# Altium PCB EDA-03517-V2-0_pcb.pcbdoc (part 1 of 5) (continued)
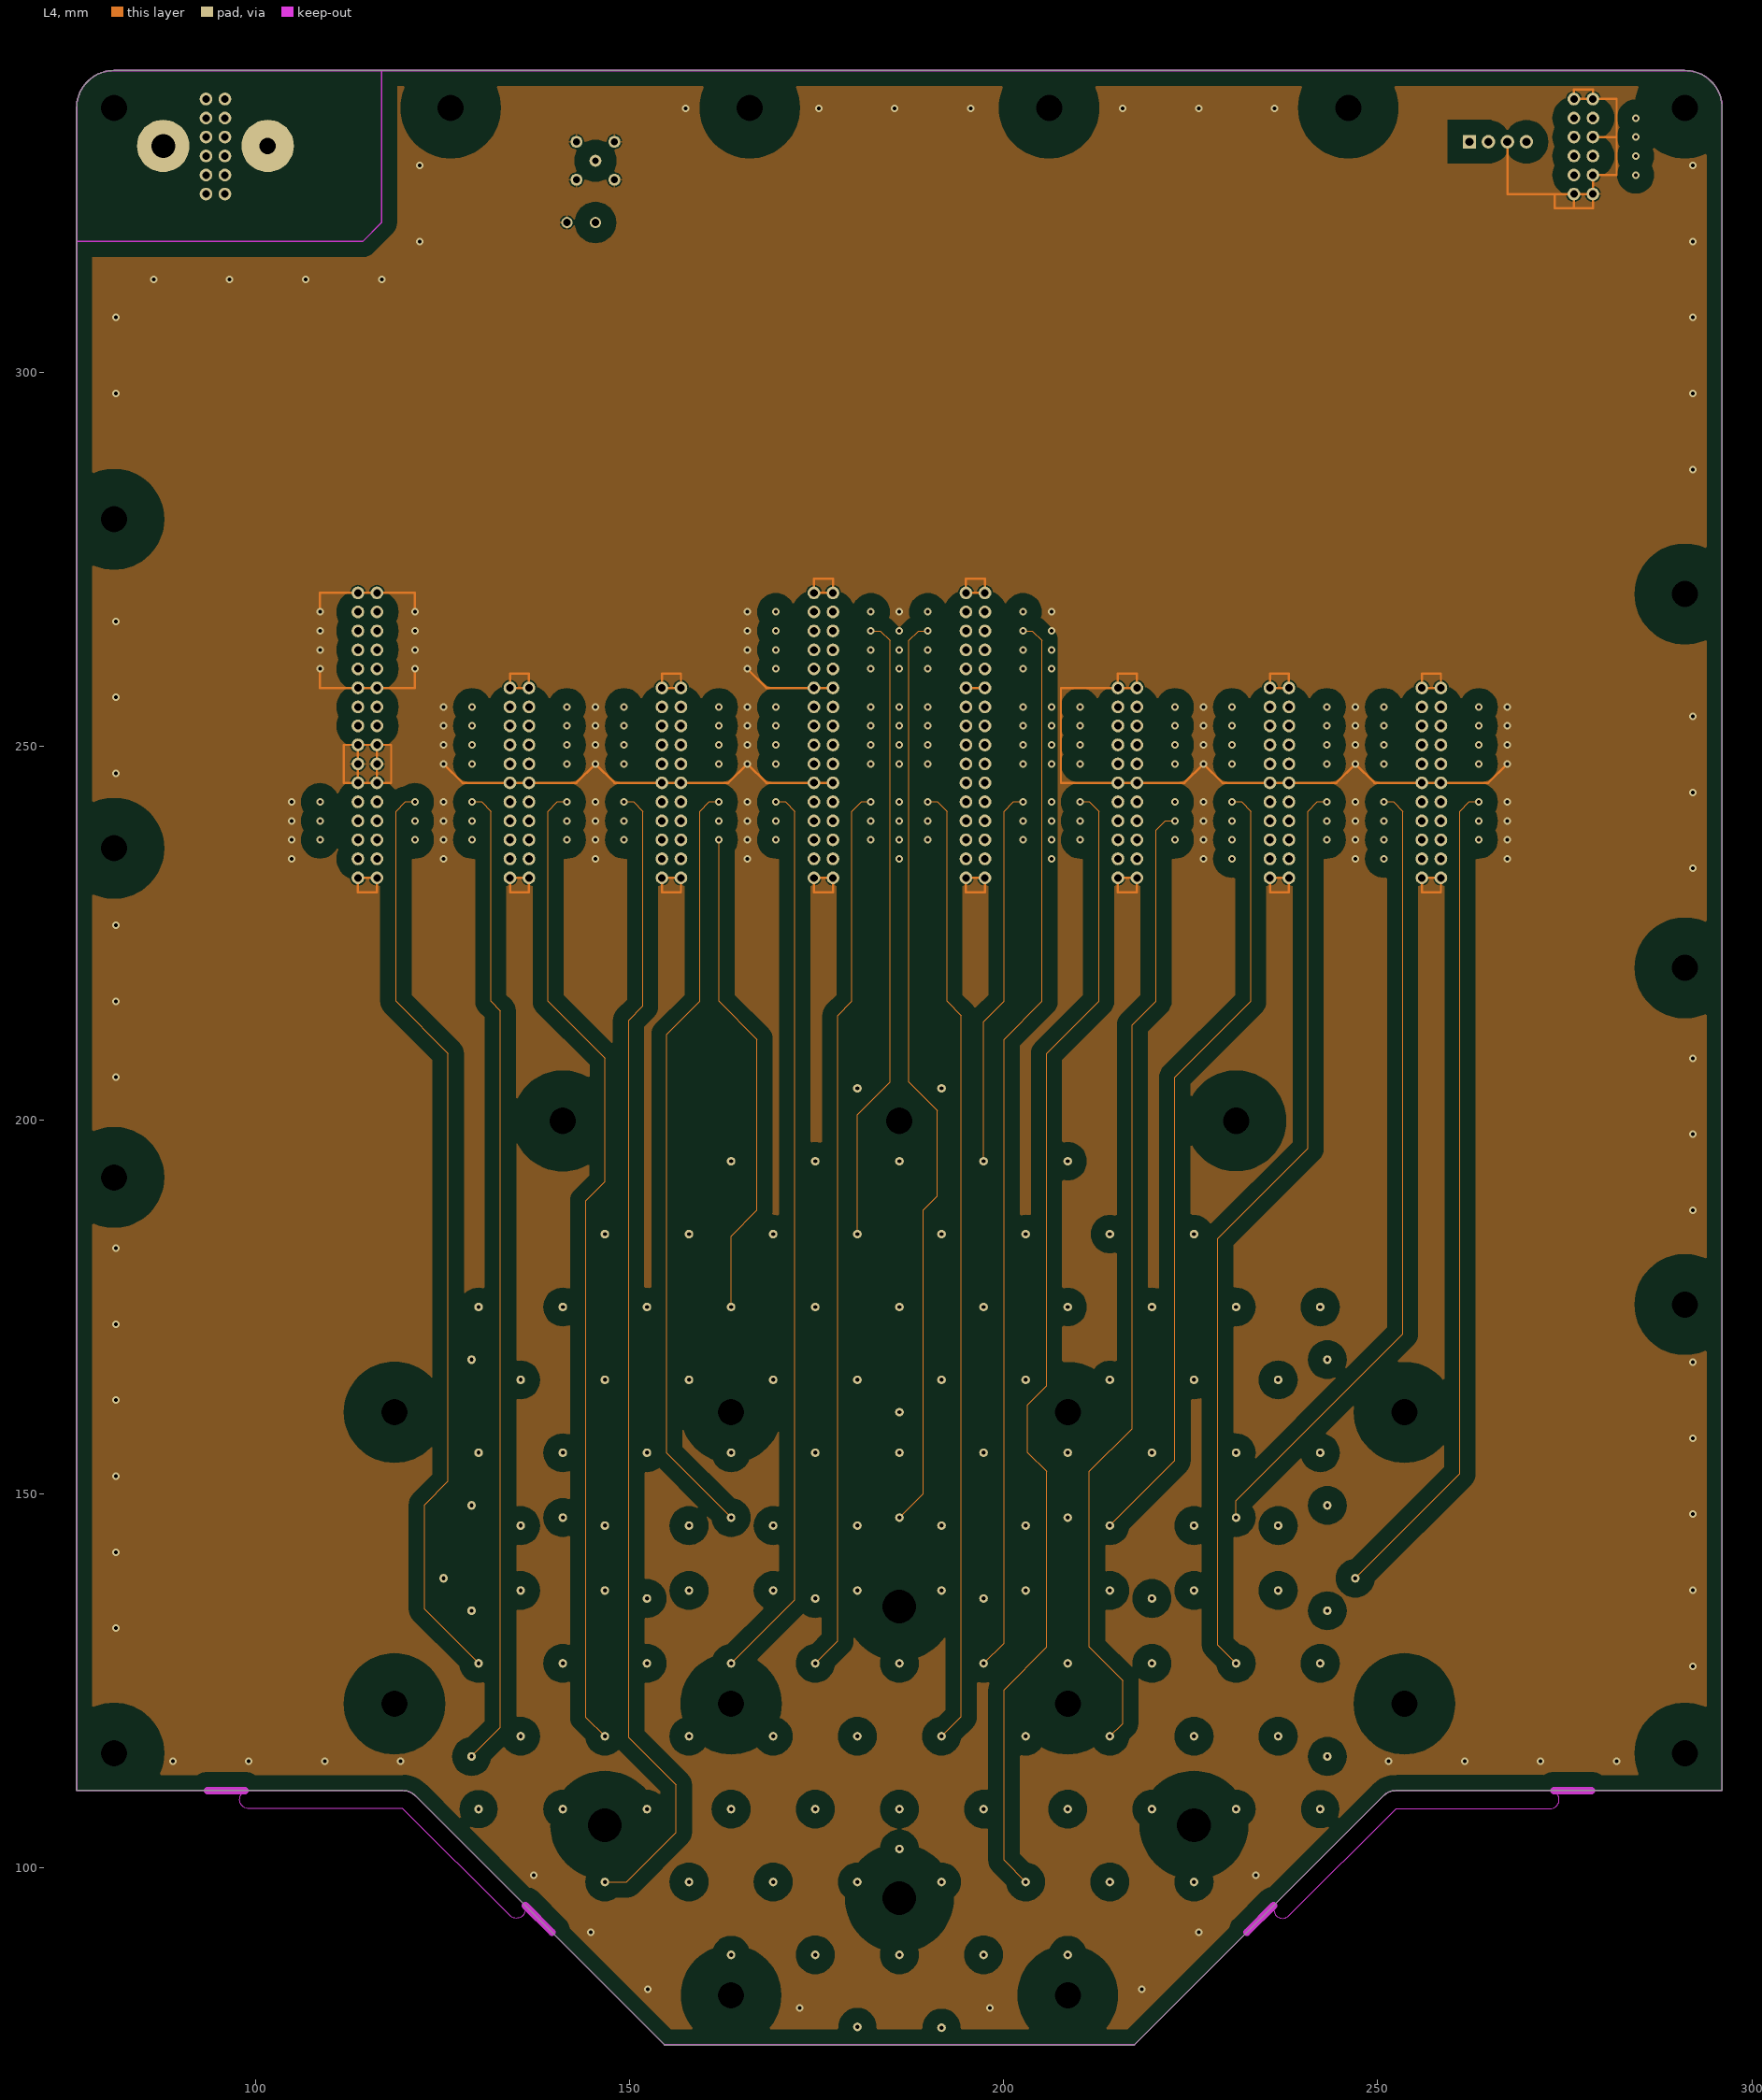
[diagram p4: L4]
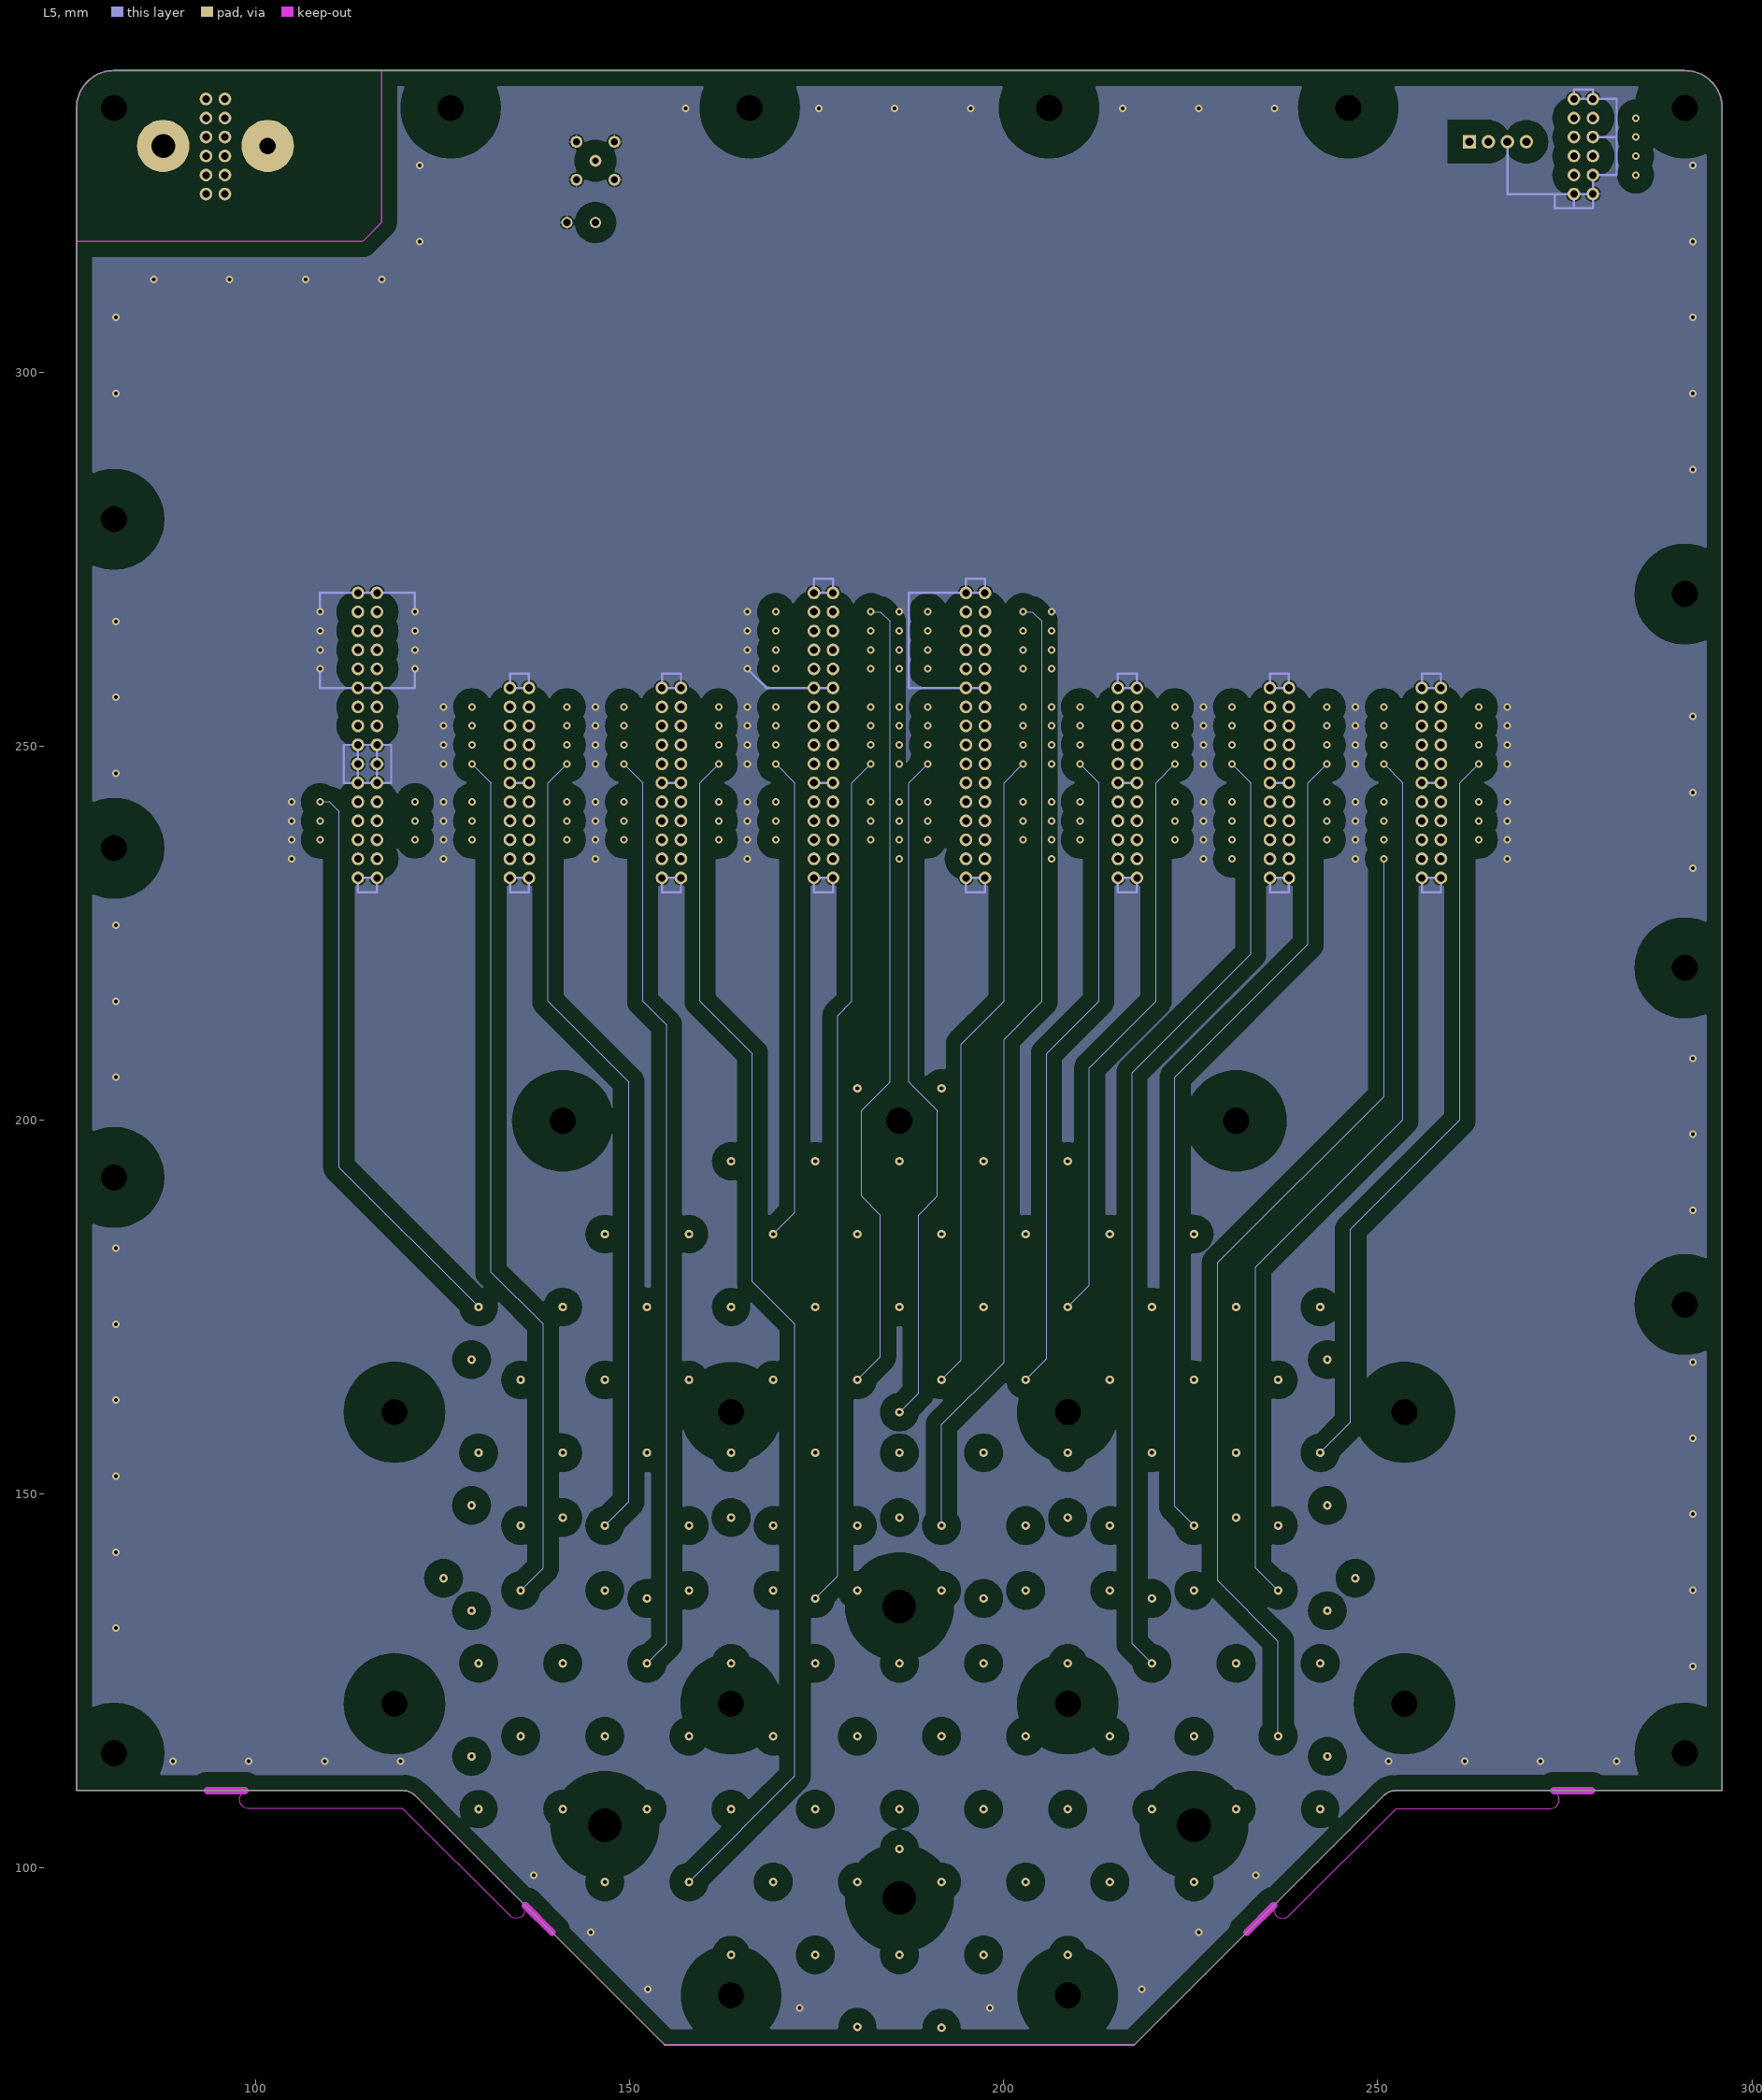
[diagram p5: L5]
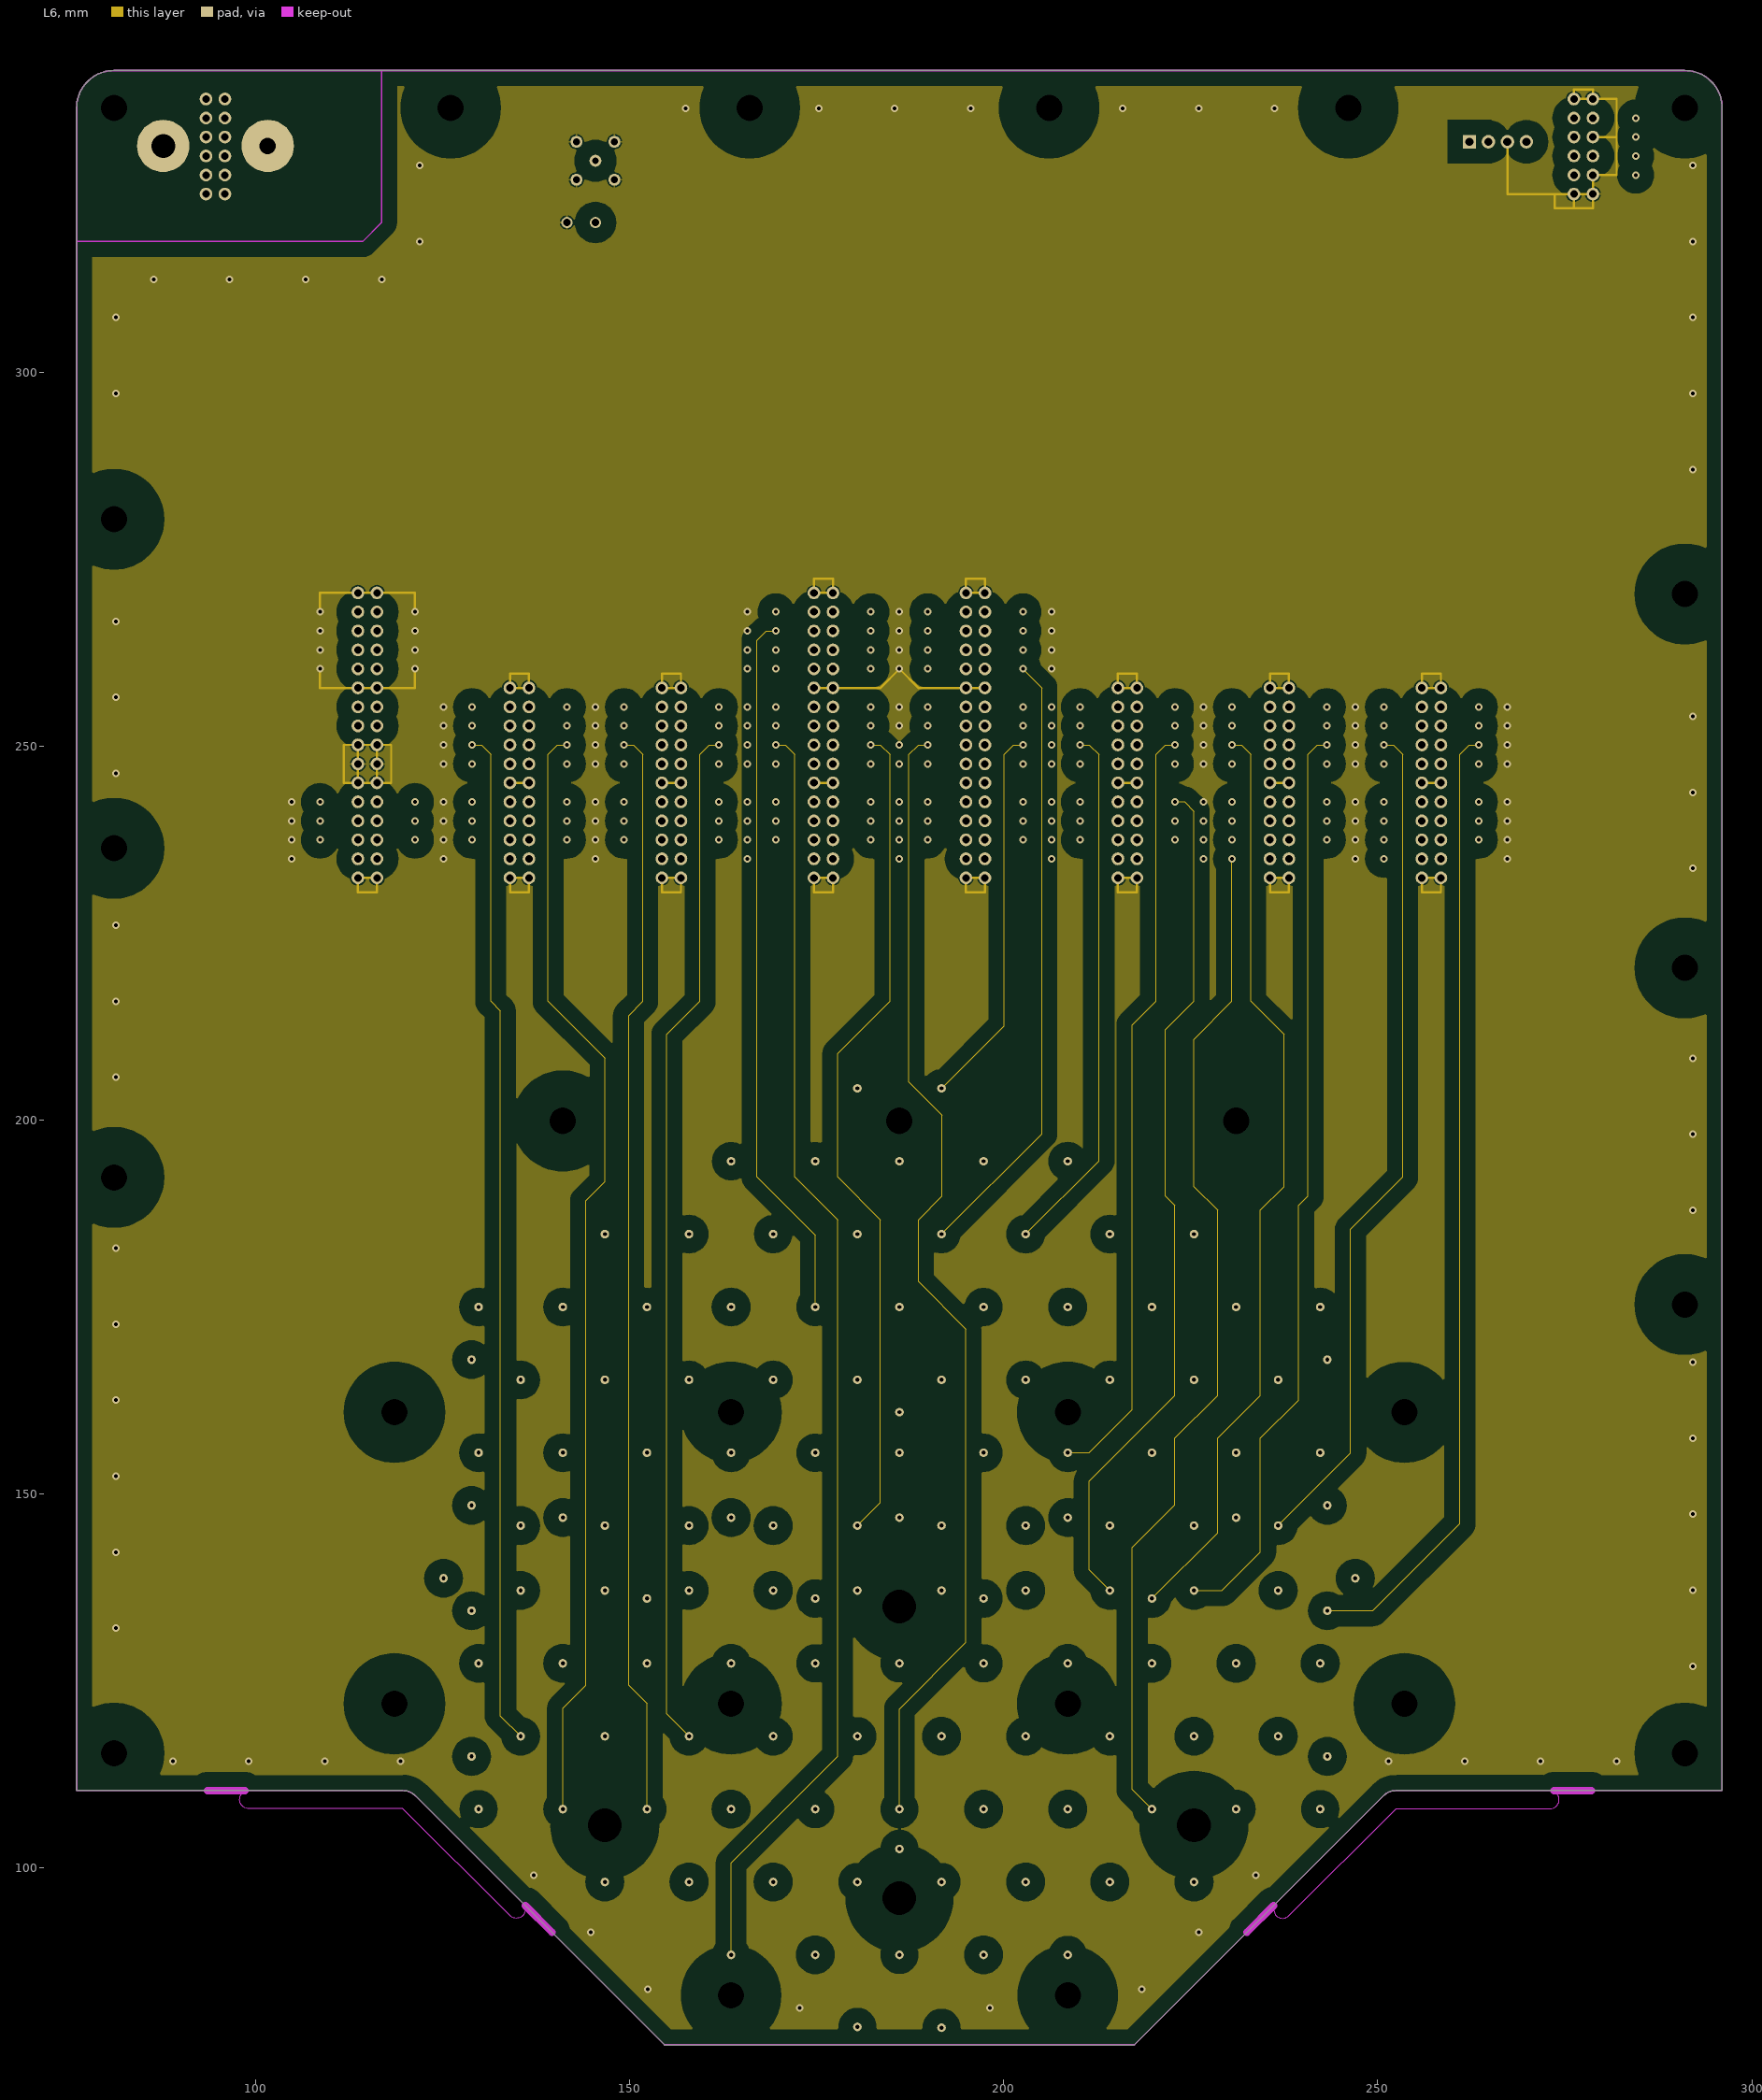
[diagram p6: L6]
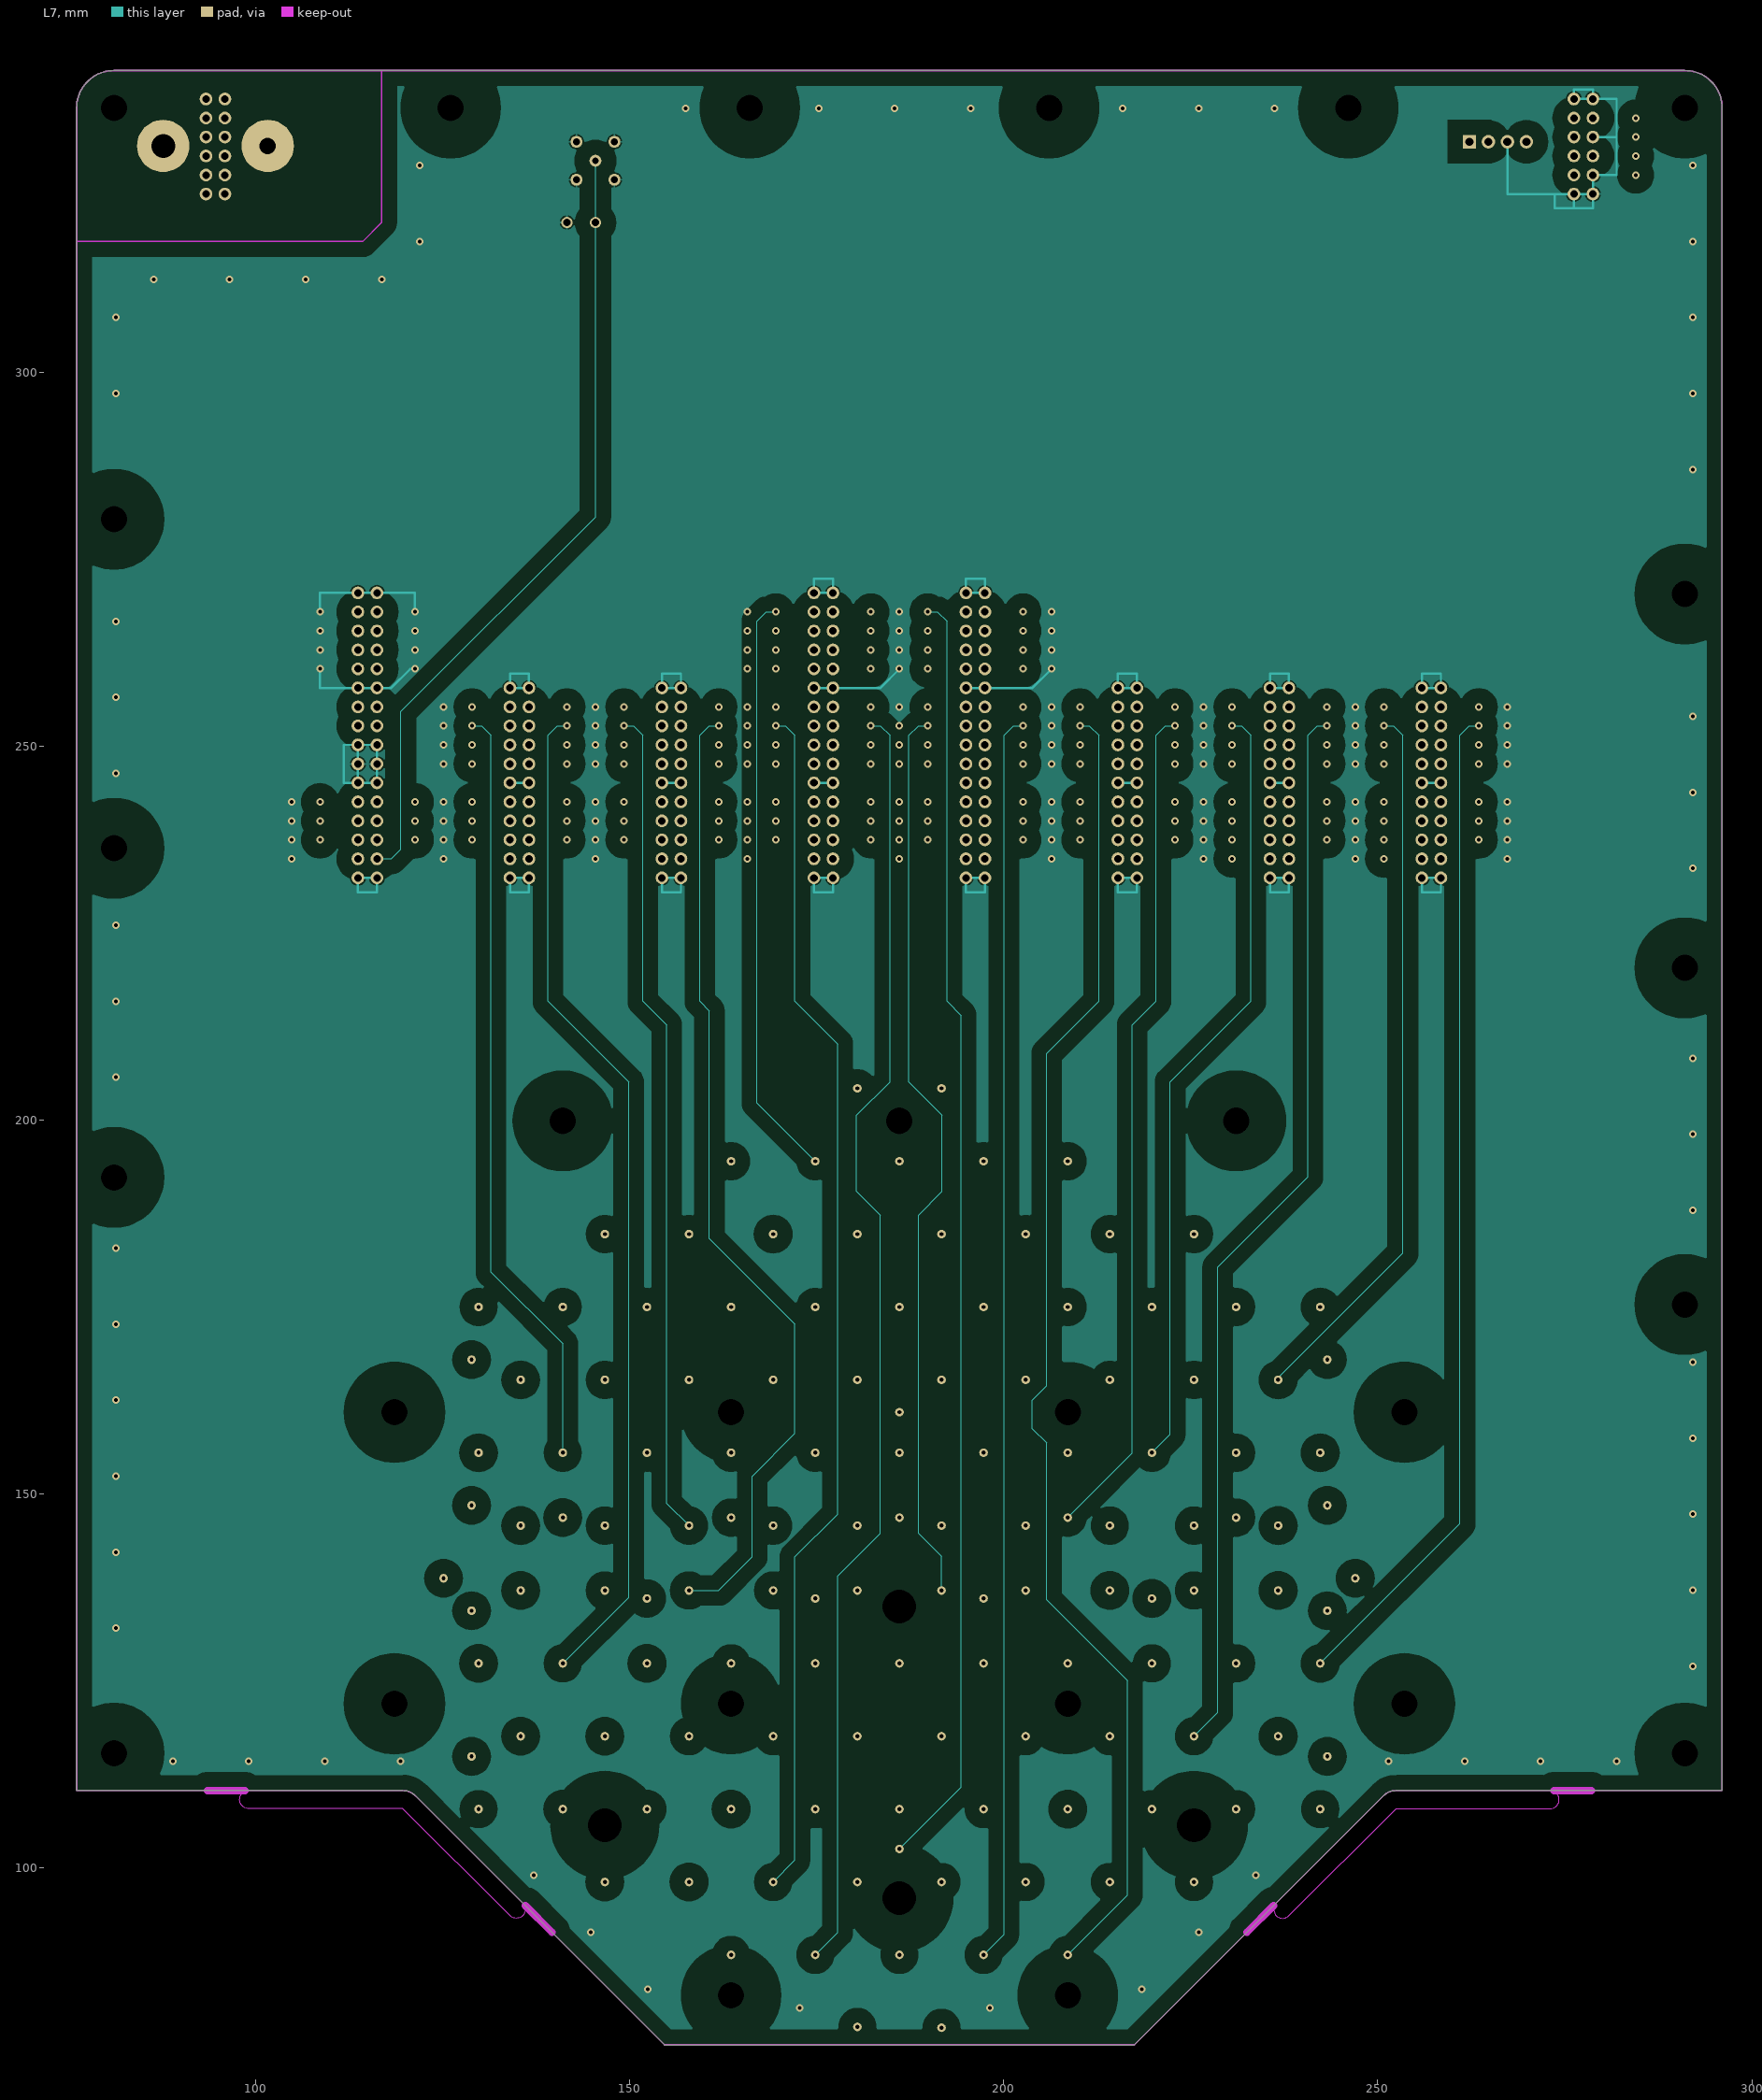
[diagram p7: L7]
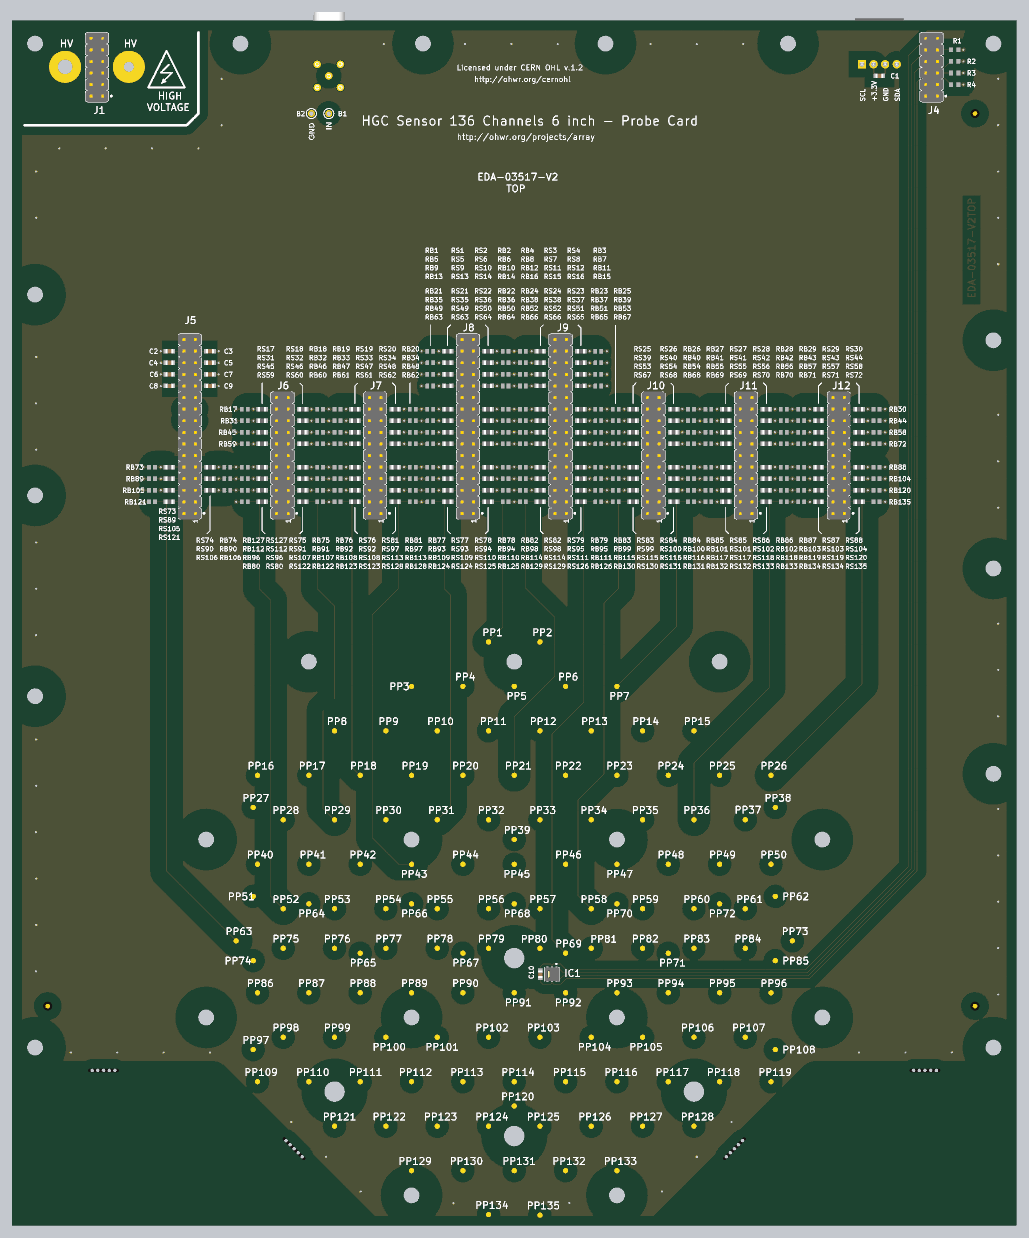
[diagram p12: 3D render of the assembled board from above, using the file's embedded part models]

## Layer stack, top to bottom
Top Solder: solder mask 0.01, Solder Resist, Dk 3.5
Top Layer: signal copper 0.035
Dielectric 1: prepreg 0.2, FR-4, Dk 4.5
L2: signal copper 0.035
Dielectric 3: core 0.2, Dk 4.2
L3: signal copper 0.035
Dielectric 6: prepreg 0.2, FR-4, Dk 4.2
L4: signal copper 0.035
Dielectric 5: core 0.7, Dk 4.2
L5: signal copper 0.035
Dielectric 4: prepreg 0.2, FR-4, Dk 4.2
L6: signal copper 0.035
Dielectric 7: core 0.2, Dk 4.2
L7: signal copper 0.035
Dielectric 8: prepreg 0.2, FR-4, Dk 4.2
Bottom Layer: signal copper 0.035
Bottom Solder: solder mask 0.01, Solder Resist, Dk 3.5

## Board outline
76.055,110.36 76.055,335.36 cw(c81.055,335.36) 81.055,340.36 291.055,340.36 cw(c291.055,335.36) 296.055,335.36 296.055,110.36 252.449,110.36 ccw(c252.449,107.96) 250.752,109.657 217.455,76.36 154.655,76.36 121.358,109.657 ccw(c119.661,107.96) 119.661,110.36
cut-out: 236.434,95.339 ccw(c237.282,94.49) 238.131,93.641 252.449,107.96 273.055,107.96 ccw(c273.055,109.16) 273.055,110.36 252.449,110.36 ccw(c252.449,107.96) 250.752,109.657
cut-out: 99.055,107.96 cw(c99.055,109.16) 99.055,110.36 119.661,110.36 cw(c119.661,107.96) 121.358,109.657 135.685,95.33 cw(c134.837,94.481) 133.988,93.633 119.661,107.96
